# KiCad board panel9.kicad_pcb (continued)
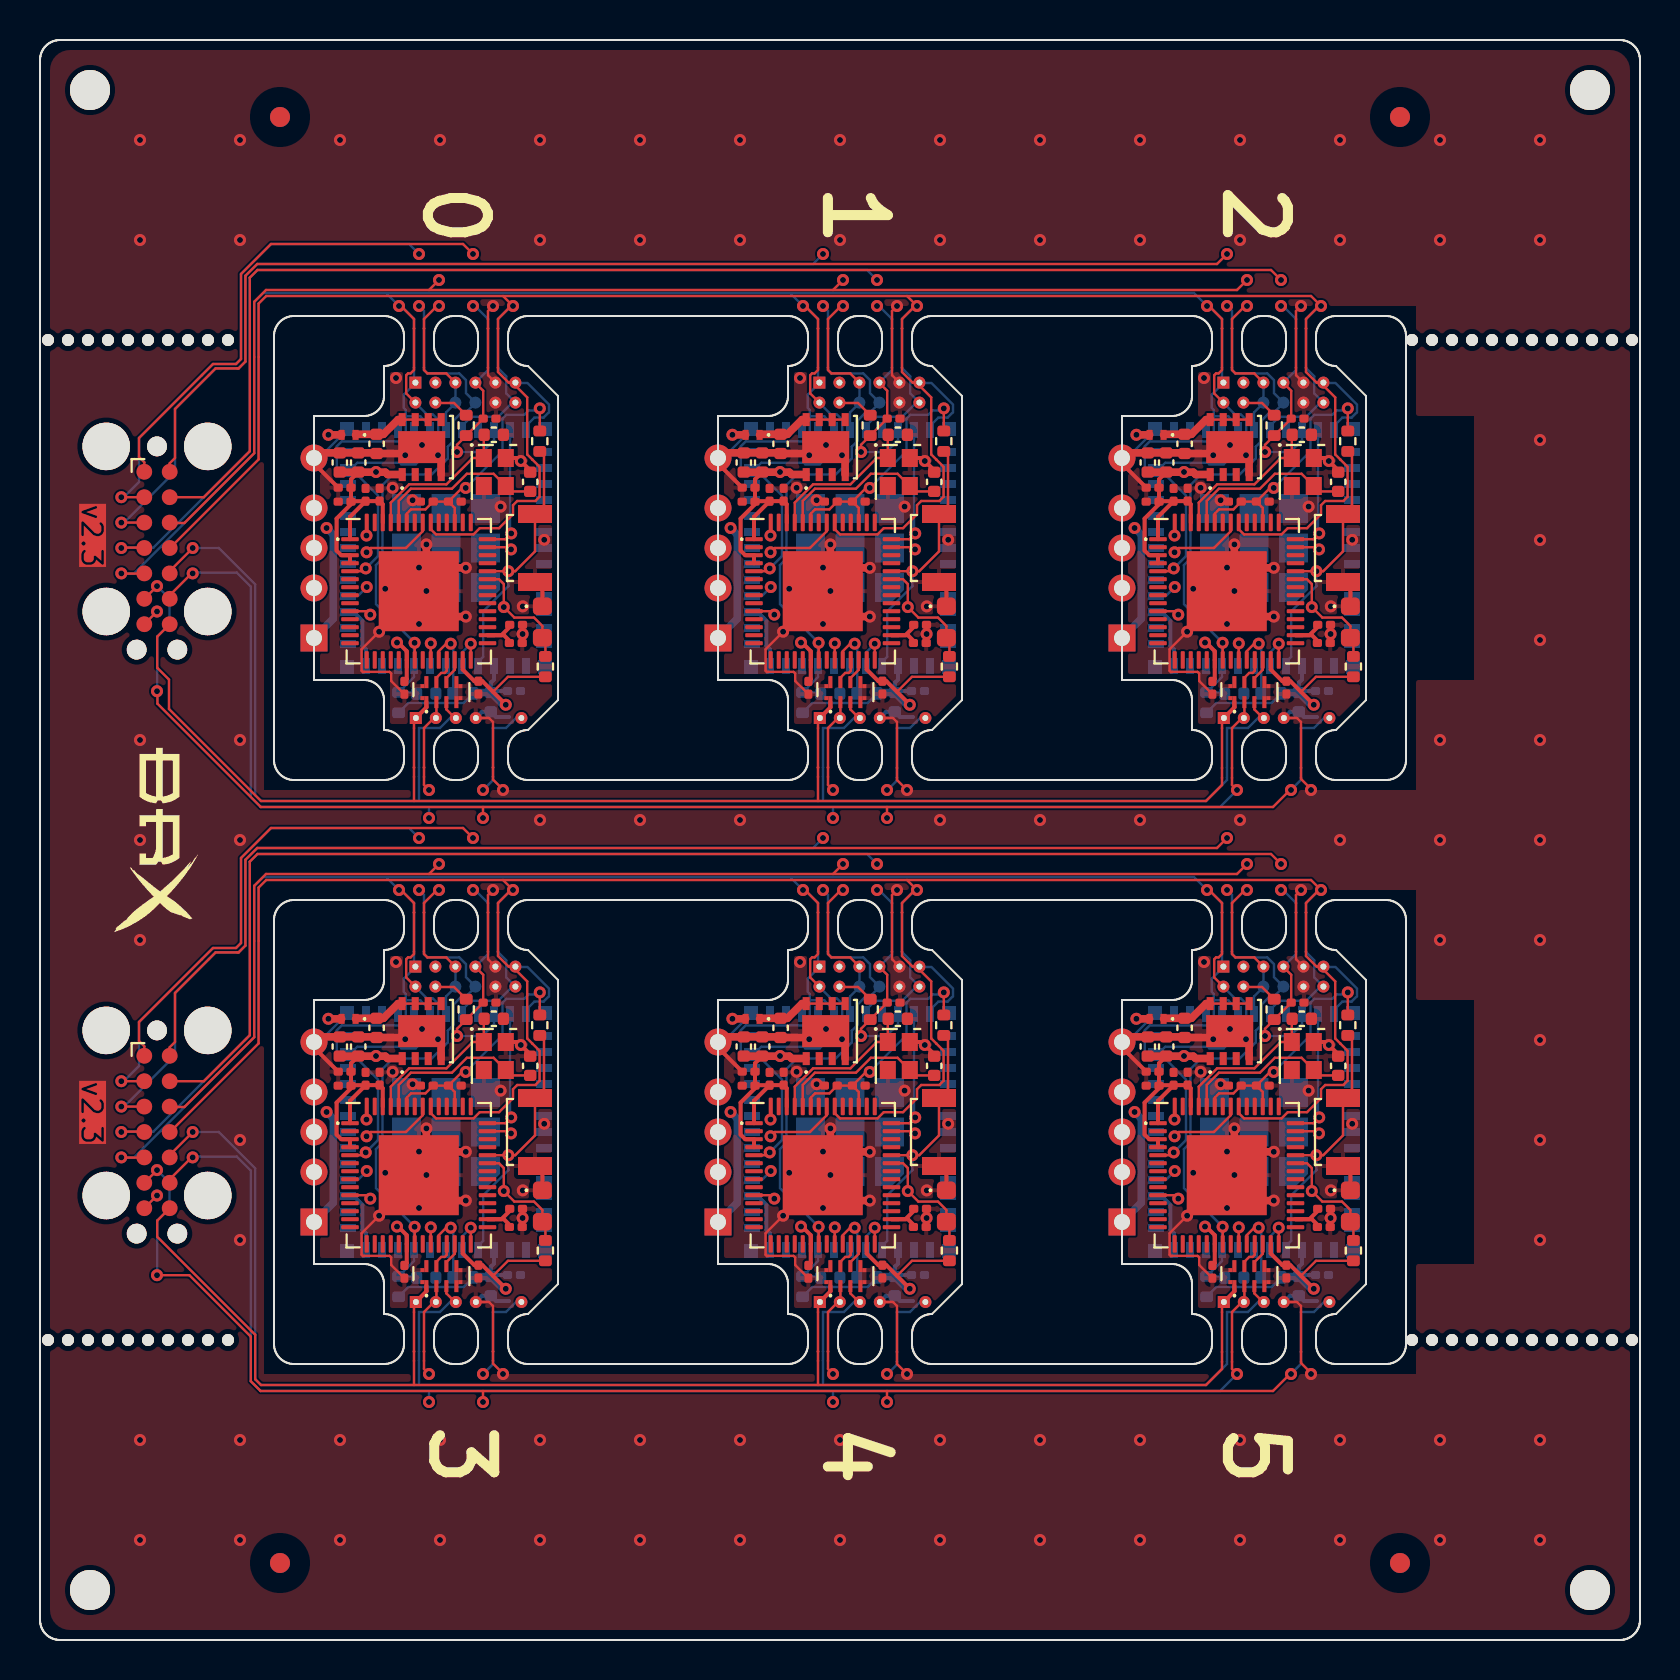
[diagram p0: board, top side]
## Nets (continued)
Board_3-unconnected-(U3-MTMS/GPIO14/ADC2_CH6-Pad18): U3#5.18
Board_3-unconnected-(U3-NC-Pad25): U3#5.25
Board_3-unconnected-(U3-NC-Pad32): U3#5.32
Board_3-unconnected-(U3-SD_DATA_0/GPIO7-Pad27): U3#5.27
Board_3-unconnected-(U3-SD_DATA_1/GPIO8-Pad28): U3#5.28
Board_3-unconnected-(U3-SENSOR_CAPN/GPIO38/ADC1_CH2-Pad6): U3#5.6
Board_3-unconnected-(U3-VDET_1/GPIO34/ADC1_CH6-Pad9): U3#5.9
Board_3-unconnected-(U3-VDET_2/GPIO35/ADC1_CH7-Pad10): U3#5.10
Board_3-VBUS: C16#3.1 D1#4.1 U1#2.5 U1#2.6 U1#2.7 U1#2.8
Board_4-+3V3: C1#2.1 C2#6.1 C3#6.1 C4#5.1 C6#2.1 C7#5.1 C8.1 C9#6.1 C12#5.1 C13#5.1 C14#3.1 C17#2.1 J2#3.3 J2#3.4 R1.2 R4#2.2 R6.2 R10#3.2 R11#3.2 U1#3.1 U2#3.1 U2#3.3 U2#3.4 U2#3.20 U2#3.27 U2#3.45 U2#3.51 U2#3.54 U3#3.3
Board_4-/BTN: J4#3.1 NT12#6.1 R1.1 SW1#3.1 U2#3.38 U3#3.4
Board_4-/D+_TP: J1#3.3 J3#3.3 NT11#4.1 U4#5.3
Board_4-/D-_TP: J1#3.2 J3#3.2 NT10#2.1 U4#5.2
Board_4-/HCI_CTS: U2#3.28 U3#3.5
Board_4-/HCI_RXD: U2#3.23 U3#3.7
Board_4-/HCI_TXD: U2#3.42 U3#3.34
Board_4-/LED: D6#6.2 R11#3.1 U2#3.37 U3#3.15
Board_4-/PICO_EN: C5#2.1 J2#3.8 NT5#2.1 R6.1 U2#3.21 U3#3.8
Board_4-/PICO_IO0: J2#3.2 NT2.1 U2#3.10 U3#3.23
Board_4-/PICO_TXD: J2#3.12 NT7.1 U2#3.41 U3#3.31
Board_4-/RXD: J2#3.5 J2#3.6 NT3.1 U2#3.49 U3#3.30
Board_4-/S2_EN: C15#2.1 J2#3.7 NT4#3.1 R4#2.1 U2#3.56 U3#3.33
Board_4-/S2_IO0: J2#3.1 NT1#4.1 U2#3.5 U3#3.29
Board_4-/S2_TXD: J2#3.11 NT6.1 U2#3.48 U3#3.35
Board_4-/USB_D+: U2#3.26 U4#5.6
Board_4-/USB_D-: U2#3.25 U4#5.7
Board_4-GND: C1#2.2 C2#6.2 C3#6.2 C4#5.2 C5#2.2 C6#2.2 C7#5.2 C8.2 C9#6.2 C10#3.2 C11.2 C12#5.2 C13#5.2 C14#3.2 C15#2.2 C16#2.2 C17#2.2 C18#2.2 C19.2 D6#6.1 J1#3.5 J2#3.9 J2#3.10 J3#3.4 NT8#6.1 NT13#3.1 SW1#3.2 U1#3.4 U1#3.9 U2#3.57 U3#3.1 U3#3.2 U3#3.11 U3#3.14 U3#3.36 U3#3.37 U3#3.38 U3#3.39 U3#3.40 U3#3.41 U3#3.42 U3#3.43 U3#3.44 U3#3.45 U3#3.46 U3#3.47 U3#3.48 U3#3.49 U3#3.50 U3#3.51 U3#3.52 U3#3.53 U4#5.4 U4#5.5 U4#5.8 Y1.2 Y1.4
Board_4-Net-(U2-GPIO18/ADC2_CH7/DAC_2): R10#3.1 U2#3.24
Board_4-Net-(U2-VDD_SPI): C10#3.1 C11.1 U2#3.30
Board_4-Net-(U2-XTAL_N): C18#2.1 U2#3.52 Y1.3
Board_4-Net-(U2-XTAL_P): C19.1 U2#3.53 Y1.1
Board_4-unconnected-(J1-Pin_4-Pad4): J1#3.4
Board_4-unconnected-(NT1-Pad2): NT1#4.2
Board_4-unconnected-(NT2-Pad2): NT2.2
Board_4-unconnected-(NT3-Pad2): NT3.2
Board_4-unconnected-(NT4-Pad2): NT4#3.2
Board_4-unconnected-(NT5-Pad2): NT5#2.2
Board_4-unconnected-(NT6-Pad2): NT6.2
Board_4-unconnected-(NT7-Pad2): NT7.2
Board_4-unconnected-(NT8-Pad2): NT8#6.2
Board_4-unconnected-(NT9-Pad2): NT9#5.2
Board_4-unconnected-(NT10-Pad2): NT10#2.2
Board_4-unconnected-(NT11-Pad2): NT11#4.2
Board_4-unconnected-(NT12-Pad2): NT12#6.2
Board_4-unconnected-(NT13-Pad2): NT13#3.2
Board_4-unconnected-(U1-NC-Pad2): U1#3.2
Board_4-unconnected-(U1-NC-Pad3): U1#3.3
Board_4-unconnected-(U2-GPIO1/ADC1_CH0-Pad6): U2#3.6
Board_4-unconnected-(U2-GPIO2/ADC1_CH1-Pad7): U2#3.7
Board_4-unconnected-(U2-GPIO3/ADC1_CH2-Pad8): U2#3.8
Board_4-unconnected-(U2-GPIO4/ADC1_CH3-Pad9): U2#3.9
Board_4-unconnected-(U2-GPIO6/ADC1_CH5-Pad11): U2#3.11
Board_4-unconnected-(U2-GPIO7/ADC1_CH6-Pad12): U2#3.12
Board_4-unconnected-(U2-GPIO8/ADC1_CH7-Pad13): U2#3.13
Board_4-unconnected-(U2-GPIO9/ADC1_CH8-Pad14): U2#3.14
Board_4-unconnected-(U2-GPIO10/ADC1_CH9-Pad15): U2#3.15
Board_4-unconnected-(U2-GPIO11/ADC2_CH0-Pad16): U2#3.16
Board_4-unconnected-(U2-GPIO12/ADC2_CH1-Pad17): U2#3.17
Board_4-unconnected-(U2-GPIO13/ADC2_CH2-Pad18): U2#3.18
Board_4-unconnected-(U2-GPIO14/ADC2_CH3-Pad19): U2#3.19
Board_4-unconnected-(U2-GPIO16/ADC2_CH5/XTAL_32K_N-Pad22): U2#3.22
Board_4-unconnected-(U2-GPIO35-Pad39): U2#3.39
Board_4-unconnected-(U2-GPIO36-Pad40): U2#3.40
Board_4-unconnected-(U2-GPIO45-Pad50): U2#3.50
Board_4-unconnected-(U2-GPIO46-Pad55): U2#3.55
Board_4-unconnected-(U2-LNA_IN/RF-Pad2): U2#3.2
Board_4-unconnected-(U2-MTCK/JTAG/GPIO39-Pad43): U2#3.43
Board_4-unconnected-(U2-MTDI/JTAG/GPIO41-Pad46): U2#3.46
Board_4-unconnected-(U2-MTDO/JTAG/GPIO40-Pad44): U2#3.44
Board_4-unconnected-(U2-MTMS/JTAG/GPIO42-Pad47): U2#3.47
Board_4-unconnected-(U2-SPI_CS1/GPIO26-Pad29): U2#3.29
Board_4-unconnected-(U2-SPICLK/GPIO30-Pad34): U2#3.34
Board_4-unconnected-(U2-SPICS0/GPIO29-Pad33): U2#3.33
Board_4-unconnected-(U2-SPID/GPIO32-Pad36): U2#3.36
Board_4-unconnected-(U2-SPIHD/GPIO27-Pad31): U2#3.31
Board_4-unconnected-(U2-SPIQ/GPIO31-Pad35): U2#3.35
Board_4-unconnected-(U2-SPIWP/GPIO28-Pad32): U2#3.32
Board_4-unconnected-(U3-32K_XN/GPIO33/ADC1_CH5-Pad13): U3#3.13
Board_4-unconnected-(U3-32K_XP/GPIO32/ADC1_CH4-Pad12): U3#3.12
Board_4-unconnected-(U3-GPIO2/ADC2_CH2-Pad22): U3#3.22
Board_4-unconnected-(U3-GPIO4/ADC2_CH0-Pad24): U3#3.24
Board_4-unconnected-(U3-GPIO20-Pad26): U3#3.26
Board_4-unconnected-(U3-GPIO26/ADC2_CH9/DAC_2-Pad16): U3#3.16
Board_4-unconnected-(U3-GPIO27/ADC2_CH7-Pad17): U3#3.17
Board_4-unconnected-(U3-MTCK/GPIO13/ADC2_CH4-Pad20): U3#3.20
Board_4-unconnected-(U3-MTDI/GPIO12/ADC2_CH5-Pad19): U3#3.19
Board_4-unconnected-(U3-MTDO/GPIO15/ADC2_CH3-Pad21): U3#3.21
Board_4-unconnected-(U3-MTMS/GPIO14/ADC2_CH6-Pad18): U3#3.18
Board_4-unconnected-(U3-NC-Pad25): U3#3.25
Board_4-unconnected-(U3-NC-Pad32): U3#3.32
Board_4-unconnected-(U3-SD_DATA_0/GPIO7-Pad27): U3#3.27
Board_4-unconnected-(U3-SD_DATA_1/GPIO8-Pad28): U3#3.28
Board_4-unconnected-(U3-SENSOR_CAPN/GPIO38/ADC1_CH2-Pad6): U3#3.6
Board_4-unconnected-(U3-VDET_1/GPIO34/ADC1_CH6-Pad9): U3#3.9
Board_4-unconnected-(U3-VDET_2/GPIO35/ADC1_CH7-Pad10): U3#3.10
Board_4-VBUS: C16#2.1 D1#3.1 U1#3.5 U1#3.6 U1#3.7 U1#3.8
Board_5-+3V3: C1#6.1 C2.1 C3#4.1 C4#6.1 C6.1 C7.1 C8#2.1 C9#2.1 C12#3.1 C13#3.1 C14#4.1 C17.1 J2#6.3 J2#6.4 R1#4.2 R4#3.2 R6#6.2 R10#5.2 R11.2 U1#6.1 U2#6.1 U2#6.3 U2#6.4 U2#6.20 U2#6.27 U2#6.45 U2#6.51 U2#6.54 U3#4.3
Board_5-/BTN: J4#5.1 NT12#4.1 R1#4.1 SW1#2.1 U2#6.38 U3#4.4
Board_5-/D+_TP: J1#2.3 J3#4.3 NT11#5.1 U4#6.3
Board_5-/D-_TP: J1#2.2 J3#4.2 NT10#3.1 U4#6.2
Board_5-/HCI_CTS: U2#6.28 U3#4.5
Board_5-/HCI_RXD: U2#6.23 U3#4.7
Board_5-/HCI_TXD: U2#6.42 U3#4.34
Board_5-/LED: D6#5.2 R11.1 U2#6.37 U3#4.15
Board_5-/PICO_EN: C5#3.1 J2#6.8 NT5#6.1 R6#6.1 U2#6.21 U3#4.8
Board_5-/PICO_IO0: J2#6.2 NT2#5.1 U2#6.10 U3#4.23
Board_5-/PICO_TXD: J2#6.12 NT7#4.1 U2#6.41 U3#4.31
Board_5-/RXD: J2#6.5 J2#6.6 NT3#4.1 U2#6.49 U3#4.30
Board_5-/S2_EN: C15#5.1 J2#6.7 NT4#2.1 R4#3.1 U2#6.56 U3#4.33
Board_5-/S2_IO0: J2#6.1 NT1#6.1 U2#6.5 U3#4.29
Board_5-/S2_TXD: J2#6.11 NT6#4.1 U2#6.48 U3#4.35
Board_5-/USB_D+: U2#6.26 U4#6.6
Board_5-/USB_D-: U2#6.25 U4#6.7
Board_5-GND: C1#6.2 C2.2 C3#4.2 C4#6.2 C5#3.2 C6.2 C7.2 C8#2.2 C9#2.2 C10.2 C11#5.2 C12#3.2 C13#3.2 C14#4.2 C15#5.2 C16#5.2 C17.2 C18#3.2 C19#6.2 D6#5.1 J1#2.5 J2#6.9 J2#6.10 J3#4.4 NT8#2.1 NT13.1 SW1#2.2 U1#6.4 U1#6.9 U2#6.57 U3#4.1 U3#4.2 U3#4.11 U3#4.14 U3#4.36 U3#4.37 U3#4.38 U3#4.39 U3#4.40 U3#4.41 U3#4.42 U3#4.43 U3#4.44 U3#4.45 U3#4.46 U3#4.47 U3#4.48 U3#4.49 U3#4.50 U3#4.51 U3#4.52 U3#4.53 U4#6.4 U4#6.5 U4#6.8 Y1#6.2 Y1#6.4
Board_5-Net-(U2-GPIO18/ADC2_CH7/DAC_2): R10#5.1 U2#6.24
Board_5-Net-(U2-VDD_SPI): C10.1 C11#5.1 U2#6.30
Board_5-Net-(U2-XTAL_N): C18#3.1 U2#6.52 Y1#6.3
Board_5-Net-(U2-XTAL_P): C19#6.1 U2#6.53 Y1#6.1
Board_5-unconnected-(J1-Pin_4-Pad4): J1#2.4
Board_5-unconnected-(NT1-Pad2): NT1#6.2
Board_5-unconnected-(NT2-Pad2): NT2#5.2
Board_5-unconnected-(NT3-Pad2): NT3#4.2
Board_5-unconnected-(NT4-Pad2): NT4#2.2
Board_5-unconnected-(NT5-Pad2): NT5#6.2
Board_5-unconnected-(NT6-Pad2): NT6#4.2
Board_5-unconnected-(NT7-Pad2): NT7#4.2
Board_5-unconnected-(NT8-Pad2): NT8#2.2
Board_5-unconnected-(NT9-Pad2): NT9#3.2
Board_5-unconnected-(NT10-Pad2): NT10#3.2
Board_5-unconnected-(NT11-Pad2): NT11#5.2
Board_5-unconnected-(NT12-Pad2): NT12#4.2
Board_5-unconnected-(NT13-Pad2): NT13.2
Board_5-unconnected-(U1-NC-Pad2): U1#6.2
Board_5-unconnected-(U1-NC-Pad3): U1#6.3
Board_5-unconnected-(U2-GPIO1/ADC1_CH0-Pad6): U2#6.6
Board_5-unconnected-(U2-GPIO2/ADC1_CH1-Pad7): U2#6.7
Board_5-unconnected-(U2-GPIO3/ADC1_CH2-Pad8): U2#6.8
Board_5-unconnected-(U2-GPIO4/ADC1_CH3-Pad9): U2#6.9
Board_5-unconnected-(U2-GPIO6/ADC1_CH5-Pad11): U2#6.11
Board_5-unconnected-(U2-GPIO7/ADC1_CH6-Pad12): U2#6.12
Board_5-unconnected-(U2-GPIO8/ADC1_CH7-Pad13): U2#6.13
Board_5-unconnected-(U2-GPIO9/ADC1_CH8-Pad14): U2#6.14
Board_5-unconnected-(U2-GPIO10/ADC1_CH9-Pad15): U2#6.15
Board_5-unconnected-(U2-GPIO11/ADC2_CH0-Pad16): U2#6.16
Board_5-unconnected-(U2-GPIO12/ADC2_CH1-Pad17): U2#6.17
Board_5-unconnected-(U2-GPIO13/ADC2_CH2-Pad18): U2#6.18
Board_5-unconnected-(U2-GPIO14/ADC2_CH3-Pad19): U2#6.19
Board_5-unconnected-(U2-GPIO16/ADC2_CH5/XTAL_32K_N-Pad22): U2#6.22
Board_5-unconnected-(U2-GPIO35-Pad39): U2#6.39
Board_5-unconnected-(U2-GPIO36-Pad40): U2#6.40
Board_5-unconnected-(U2-GPIO45-Pad50): U2#6.50
Board_5-unconnected-(U2-GPIO46-Pad55): U2#6.55
Board_5-unconnected-(U2-LNA_IN/RF-Pad2): U2#6.2
Board_5-unconnected-(U2-MTCK/JTAG/GPIO39-Pad43): U2#6.43
Board_5-unconnected-(U2-MTDI/JTAG/GPIO41-Pad46): U2#6.46
Board_5-unconnected-(U2-MTDO/JTAG/GPIO40-Pad44): U2#6.44
Board_5-unconnected-(U2-MTMS/JTAG/GPIO42-Pad47): U2#6.47
Board_5-unconnected-(U2-SPI_CS1/GPIO26-Pad29): U2#6.29
Board_5-unconnected-(U2-SPICLK/GPIO30-Pad34): U2#6.34
Board_5-unconnected-(U2-SPICS0/GPIO29-Pad33): U2#6.33
Board_5-unconnected-(U2-SPID/GPIO32-Pad36): U2#6.36
Board_5-unconnected-(U2-SPIHD/GPIO27-Pad31): U2#6.31
Board_5-unconnected-(U2-SPIQ/GPIO31-Pad35): U2#6.35
Board_5-unconnected-(U2-SPIWP/GPIO28-Pad32): U2#6.32
Board_5-unconnected-(U3-32K_XN/GPIO33/ADC1_CH5-Pad13): U3#4.13
Board_5-unconnected-(U3-32K_XP/GPIO32/ADC1_CH4-Pad12): U3#4.12
Board_5-unconnected-(U3-GPIO2/ADC2_CH2-Pad22): U3#4.22
Board_5-unconnected-(U3-GPIO4/ADC2_CH0-Pad24): U3#4.24
Board_5-unconnected-(U3-GPIO20-Pad26): U3#4.26
Board_5-unconnected-(U3-GPIO26/ADC2_CH9/DAC_2-Pad16): U3#4.16
Board_5-unconnected-(U3-GPIO27/ADC2_CH7-Pad17): U3#4.17
Board_5-unconnected-(U3-MTCK/GPIO13/ADC2_CH4-Pad20): U3#4.20
Board_5-unconnected-(U3-MTDI/GPIO12/ADC2_CH5-Pad19): U3#4.19
Board_5-unconnected-(U3-MTDO/GPIO15/ADC2_CH3-Pad21): U3#4.21
Board_5-unconnected-(U3-MTMS/GPIO14/ADC2_CH6-Pad18): U3#4.18
Board_5-unconnected-(U3-NC-Pad25): U3#4.25
Board_5-unconnected-(U3-NC-Pad32): U3#4.32
Board_5-unconnected-(U3-SD_DATA_0/GPIO7-Pad27): U3#4.27
Board_5-unconnected-(U3-SD_DATA_1/GPIO8-Pad28): U3#4.28
Board_5-unconnected-(U3-SENSOR_CAPN/GPIO38/ADC1_CH2-Pad6): U3#4.6
Board_5-unconnected-(U3-VDET_1/GPIO34/ADC1_CH6-Pad9): U3#4.9
Board_5-unconnected-(U3-VDET_2/GPIO35/ADC1_CH7-Pad10): U3#4.10
Board_5-VBUS: C16#5.1 D1.1 U1#6.5 U1#6.6 U1#6.7 U1#6.8
DUT0_EN0: REF**#17.1 REF**#62.2
DUT0_EN1: REF**#17.2 REF**#79.2
DUT1_EN0: REF**#17.4 REF**#47.2
DUT1_EN1: REF**#17.3 REF**#81.2
DUT2_EN0: REF**#17.13 REF**#63.2
DUT2_EN1: REF**#17.14
DUT3_EN0: REF**#23.13 REF**#72.2
DUT3_EN1: REF**#23.14 REF**#70.2
DUT4_EN0: REF**#23.4 REF**#51.2
DUT4_EN1: REF**#23.3 REF**#78.2
DUT5_EN0: REF**#23.1 REF**#59.2
DUT5_EN1: REF**#23.2 REF**#53.2
DUT_BOOT_B: REF**#18.2 REF**#23.5 REF**#26.2 REF**#34.2 REF**#60.2 REF**#71.2 REF**#74.2
DUT_BOOT_T: REF**#7.2 REF**#9.2 REF**#17.5 REF**#27.2 REF**#61.2 REF**#76.2 REF**#80.2
DUT_BTN_B: REF**#23.6 REF**#48.1 REF**#67.1 REF**#75.1
DUT_BTN_T: REF**#17.6
DUT_DN_B: REF**#2.1 REF**#23.9 REF**#24.1 REF**#40.1
DUT_DN_T: REF**.1 REF**#13.1 REF**#14.1 REF**#17.9
DUT_DP_B: REF**#23.10 REF**#57.1 REF**#58.1 REF**#77.1
DUT_DP_T: REF**#17.10 REF**#55.1 REF**#66.1 REF**#73.1
DUT_GND: REF**#10.2 REF**#11.1 REF**#16.1 REF**#17.7 REF**#19.1 REF**#23.7 REF**#30.2 REF**#31.1 REF**#32.2 REF**#35.1 REF**#37.2 REF**#41.2 REF**#42.2 REF**#44.1
DUT_RX_B: REF**#21.2 REF**#23.12 REF**#28.2 REF**#29.2
DUT_RX_T: REF**#17.12
DUT_TX_B: REF**#23.11 REF**#33.2 REF**#36.2 REF**#45.2 REF**#49.2 REF**#52.2 REF**#68.2
DUT_TX_T: REF**#3.2 REF**#17.11 REF**#22.2 REF**#43.2 REF**#54.2 REF**#56.2 REF**#65.2
DUT_VBUS_B: REF**#12.1 REF**#20.1 REF**#23.8 REF**#38.1
DUT_VBUS_T: REF**#4.1 REF**#17.8

Pads without a net: REF** 2; REF**#2 2; REF**#3 1; REF**#4 2; REF**#6 1 2; REF**#7 1; REF**#8 1 2; REF**#9 1; REF**#10 1; REF**#11 2; REF**#12 2; REF**#13 2; REF**#14 2; REF**#15 1 2; REF**#16 2; REF**#18 1; REF**#19 2; REF**#20 2; REF**#21 1; REF**#22 1; REF**#24 2; REF**#25 1 2; REF**#26 1; REF**#27 1; REF**#28 1; REF**#29 1; REF**#30 1; REF**#31 2; REF**#32 1; REF**#33 1; REF**#34 1; REF**#35 2; REF**#36 1; REF**#37 1; REF**#38 2; REF**#39 1 2; REF**#40 2; REF**#41 1; REF**#42 1; REF**#43 1; REF**#44 2; REF**#45 1; REF**#47 1; REF**#48 2; REF**#49 1; REF**#50 1 2; REF**#51 1; REF**#52 1; REF**#53 1; REF**#54 1; REF**#55 2; REF**#56 1; REF**#57 2; REF**#58 2; REF**#59 1; REF**#60 1; REF**#61 1; REF**#62 1; REF**#63 1; REF**#64 1 2; REF**#65 1; REF**#66 2; REF**#67 2; REF**#68 1; REF**#69 1 2; REF**#70 1; REF**#71 1; REF**#72 1; REF**#73 2; REF**#74 1; REF**#75 2; REF**#76 1; REF**#77 2; REF**#78 1; REF**#79 1; REF**#80 1; REF**#81 1; REF**#82 1 2

## Via types
v1: diameter 0.6, hole 0.3, Top to Bottom, 423 vias

## Routing (per net, layer and track width the routed paths; a pad name or vN(x,y) marks a point on that pad's centre or on a via; arc(x,y) is an arc through that point)
Board_0-/VBUS_TP: length 20.5
  Top w0.12: J3.1 18.7,46.01 NT9.1
  Top w0.2: J3.1 19.32,46.63 U4.1
  Top w0.38: v1(14.42,60.26) 14.42,60.26 D1#2.2
  In2.Cu w0.2: J1#4.1 15.84,50.1 18.79,47.15 J3.1
  In2.Cu w0.38: v1(14.33,55.6) 14.67,55.94 14.67,60.02 v1(14.42,60.26)
  Bottom w0.38: J1#4.1 14.67,51.06 14.67,55.27 v1(14.33,55.6)
Board_1-/VBUS_TP: length 20.5
  Top w0.12: J3#2.1 38.9,46.01 NT9#4.1
  Top w0.2: J3#2.1 39.52,46.63 U4#3.1
  Top w0.38: v1(34.62,60.26) 34.62,60.26 D1#6.2
  In2.Cu w0.2: J1#5.1 36.04,50.1 38.99,47.15 J3#2.1
  In2.Cu w0.38: v1(34.53,55.6) 34.87,55.94 34.87,60.02 v1(34.62,60.26)
  Bottom w0.38: J1#5.1 34.87,51.06 34.87,55.27 v1(34.53,55.6)
Board_2-/VBUS_TP: length 20.5
  Top w0.12: NT9#2.1 59.1,46.01 J3#6.1
  Top w0.2: U4#2.1 59.72,46.63 J3#6.1
  Top w0.38: D1#5.2 54.82,60.26 v1(54.82,60.26)
  In2.Cu w0.2: J1.1 56.24,50.1 59.19,47.15 J3#6.1
  In2.Cu w0.38: v1(54.82,60.26) 55.06,60.02 55.06,55.94 v1(54.73,55.6)
  Bottom w0.38: v1(54.73,55.6) 55.06,55.27 55.06,51.06 J1.1
Board_3-/VBUS_TP: length 20.5
  Top w0.12: J3#5.1 18.7,16.81 NT9#6.1
  Top w0.2: U4#4.1 19.32,17.43 J3#5.1
  Top w0.38: D1#4.2 14.42,31.06 v1(14.42,31.06)
  In2.Cu w0.2: J3#5.1 18.79,17.95 15.84,20.9 J1#6.1
  In2.Cu w0.38: v1(14.42,31.06) 14.67,30.81 14.67,26.73 v1(14.33,26.4)
  Bottom w0.38: J1#6.1 14.67,21.86 14.67,26.06 v1(14.33,26.4)
Board_4-/VBUS_TP: length 20.5
  Top w0.12: NT9#5.1 38.9,16.81 J3#3.1
  Top w0.2: J3#3.1 39.52,17.43 U4#5.1
  Top w0.38: v1(34.62,31.06) 34.62,31.06 D1#3.2
  In2.Cu w0.2: J3#3.1 38.99,17.95 36.04,20.9 J1#3.1
  In2.Cu w0.38: v1(34.53,26.4) 34.87,26.73 34.87,30.81 v1(34.62,31.06)
  Bottom w0.38: v1(34.53,26.4) 34.87,26.06 34.87,21.86 J1#3.1
Board_5-/VBUS_TP: length 20.5
  Top w0.12: J3#4.1 59.1,16.81 NT9#3.1
  Top w0.2: U4#6.1 59.72,17.43 J3#4.1
  Top w0.38: D1.2 54.82,31.06 v1(54.82,31.06)
  In2.Cu w0.2: J3#4.1 59.19,17.95 56.24,20.9 J1#2.1
  In2.Cu w0.38: v1(54.73,26.4) 55.06,26.73 55.06,30.81 v1(54.82,31.06)
  Bottom w0.38: J1#2.1 55.06,21.86 55.06,26.06 v1(54.73,26.4)
Board_0-+3V3: length 75.2
  Top w0.12: v1(21.29,57.6) 21.1,57.6 C12.1 ; C12.1 20.74,56.6 U2#2.45 ; C12.1 C9.1 19.27,56.53 18.55,56.53 18.34,56.31 U2#2.51 ; R11#4.2 23.4,48.16 22.65,47.41 ; R4#5.2 20.7,61.85 19.79,61.85 J2.4 ; R1#6.2 24.99,61.48
  Top w0.2: C2#2.1 15.58,56.94 C8#4.1 ; C2#2.1 C3.1 15.55,58.03 C17#6.1 ; C2#2.1 15.55,56.79 14.83,56.07 14.83,54.47 15.06,54.24 U2#2.3 U2#2.4 ; v1(23.29,46.76) 23.29,46.77 22.12,47.94 C6#3.1 21.72,47.94 21.14,48.52 U2#2.27 ; C8#4.1 16.28,56.95 C7#2.1 17.14,56.79 U2#2.54 ; C8#4.1 15.5,56.16 U2#2.1 ; C1.1 18.34,48.05 U2#2.20 18.34,49.44 17.92,49.86 17.86,49.86 v1(17.85,49.87)
  Top w0.38: 15.32,58.39 16.79,58.39 v1(16.8,58.4) 16.81,58.39 17.27,58.39 17.38,58.27 18.09,58.27
  In2.Cu w0.38: v1(17.85,49.87) 17.85,51.96 ; 17.85,51.96 18.89,51.96 20.27,50.58 21.65,50.58 23.29,48.94 v1(23.29,46.76) ; 17.85,51.96 16.03,51.96 15.49,52.5 15.49,57.09 v1(16.8,58.4) ; v1(16.8,58.4) 20.49,58.4 v1(21.29,57.6) ; v1(16.8,58.4) 16.8,59.09 18.42,60.71 19.24,60.71 19.77,61.24 J2.4 J2.3
  Bottom w0.12: 24.99,61.48 24.43,61.48 24.21,61.26 23.32,61.26 23.12,61.06 23.12,59.44 v1(21.29,57.6) ; R6#2.2 18.42,46.85 21.18,46.85 R10#6.2
  Bottom w0.2: 23.33,47.45 22.62,47.45 C14.1 22.54,47.86 22.7,48.02 U3.3
  Bottom w0.38: v1(23.29,46.76) 23.15,46.76 C14.1 21.65,47.37 21.61,47.33
  vias: v1(24.99,61.58)
Board_0-/BTN: length 24.2
  Top w0.12: U2#2.38 v1(23.42,53.44) 23.76,53.44 24.75,54.43 SW1#5.1 25.2,56.75 25.2,59.22 R1#6.1
  In2.Cu w0.12: v1(23.42,53.44) 23.89,53.44 25.54,51.79 25.54,47.57 J4.1
  Bottom w0.12: NT12.1 23.3,45.6 23.8,46.1 J4.1 ; v1(23.42,53.44) 23.42,52.69 22.16,51.43 22.16,49.16 21.9,48.9 U3.4
Board_0-/D+_TP: length 14.6
  Top w0.12: U4.3 20.32,46.53 20.75,46.1
  In2.Cu w0.12: J3.3 20.09,46.8 19.93,46.8 14.53,52.19 14.53,53.77 J1#4.3
  Bottom w0.12: J3.3 20.5,46.1 20,45.6 NT11#2.1
Board_0-/D-_TP: length 10.7
  Top w0.12: NT10#5.1 19.7,46.1 J3.2 19.82,46.13 U4.2
  In2.Cu w0.12: J3.2 19.79,46.62 13.81,52.6 J1#4.2
Board_0-/HCI_CTS: length 2.1
  Top w0.12: v1(21.54,49.81) U2#2.28
  Bottom w0.12: v1(21.54,49.81) 21.1,49.38 U3.5
Board_0-/HCI_RXD: length 2
  Top w0.12: U2#2.23 19.54,49.83 v1(19.54,49.83)
  Bottom w0.12: v1(19.54,49.83) 19.54,48.74 U3.7
Board_0-/HCI_TXD: length 6.5
  Top w0.12: v1(23.56,55.33) 23.27,55.04 U2#2.42
  Bottom w0.12: U3.34 23.5,55.39 v1(23.56,55.33)
Board_0-/LED: length 14.7
  Top w0.12: R11#4.1 25.27,49.96 D6#4.2 25.12,50.7 24.7,51.12 23.72,51.12 23.19,51.65 v1(23.19,51.65) 23.19,52.8 22.95,53.04 U2#2.37
  In2.Cu w0.12: v1(16.34,52.65) 16.71,53.02 21.82,53.02 v1(23.19,51.65)
  Bottom w0.12: v1(16.34,52.65) 15.89,52.2 U3.15
Board_0-/PICO_EN: length 24.5
  Top w0.12: v1(18.73,49.86) 18.73,49.64 18.74,49.63 U2#2.21
  Bottom w0.12: NT5.1 19.2,63.5 19.37,63.33 20.96,63.33 21.3,62.99 21.3,62.34 J2.8 21.77,61.85 21.2,61.28 20.99,61.28 20.69,60.98 20.69,59.97 20.39,59.67 20.39,59.08 19.59,58.28 17.65,58.28 17.12,57.75 17.12,54.07 16.8,53.74 16.8,51.79 v1(18.73,49.86) 18.7,49.83 U3.8 18.7,48.15 R6#2.1 18.77,47.38 C5#4.1
Board_0-/PICO_IO0: length 24.1
  Top w0.12: 18.84,61.83 18.82,61.85 18.79,61.85 J2.2 18.31,62.33 18.31,63.24 18.4,63.33 18.53,63.33 18.7,63.5 NT2#2.1 ; U2#2.10 16.34,51.44 v1(16.51,51.27)
  In2.Cu w0.12: v1(16.51,51.27) 15.92,51.27 15.07,52.12 15.07,58.15 18.77,61.85 J2.2
  Bottom w0.12: J2.2 18.77,61.85 19.34,61.28 19.64,61.28 19.91,61.01 19.91,59.91 18.78,58.78 18.07,58.78 17.99,58.86 15.86,58.86 15.6,58.6 U3.23
Board_0-/PICO_TXD: length 15.8
  Top w0.12: U2#2.41 23.44,54.64 v1(23.55,54.53) ; 23.8,61.93 23.77,61.9 J2.12
  In2.Cu w0.12: v1(23.55,54.53) 24.29,55.27 24.63,55.27 25.54,56.18 25.54,60.08 23.77,61.85 J2.12
  Bottom w0.12: NT7#2.1 23.31,63.19 23.31,62.33 J2.12 23.75,61.85 23.6,61.85 22.91,61.16 21.56,61.16 21.1,60.7 U3.31
Board_0-/RXD: length 21.6
  Top w0.12: U2#2.49 19.14,55.44 18.3,54.6 16.54,54.6 v1(16.33,54.39) ; NT3#2.1 19.2,63.5 19.37,63.33 20.31,63.33 J2.5
  In2.Cu w0.12: v1(16.33,54.39) 16.42,54.29 19.73,54.29 21.97,56.53 21.97,59.17 20.77,60.37 J2.5
  Bottom w0.12: U3.30 20.3,61.38 20.77,61.85 J2.6 J2.5
Board_0-/S2_EN: length 17.1
  Top w0.12: v1(16.32,55.22) 16.34,55.24 U2#2.56 ; v1(20.85,59.4) 20.85,59.76 R4#5.1 C15#6.1 22.16,62.46 21.77,62.85 J2.7
  In2.Cu w0.12: v1(20.85,59.4) 21.75,58.5 21.75,57.41 21.48,57.14 20.82,57.14 18.9,55.22 v1(16.32,55.22)
  Bottom w0.12: J2.7 22.4,63.5 NT4.1 ; U3.33 22.7,59.99 22.11,59.4 v1(20.85,59.4)
Board_0-/S2_IO0: length 17.8
  Top w0.12: J2.1 18.77,62.8 ; U2#2.5 16.15,53.44 v1(16.29,53.58)
  Bottom w0.12: U3.29 19.5,60.7 19.01,61.19 18.29,61.19 ; v1(16.29,53.58) 16.9,54.19 16.9,57.22 15.91,58.21 14.95,58.21 14.84,58.32 14.84,59.68 15.09,59.93 18.17,59.93 18.29,60.05 18.29,61.19 ; 18.29,61.19 18.29,61.5 18.19,61.61 18.19,62.27 18.77,62.85 J2.1 18.7,62.94 NT1#2.1
Board_0-/S2_TXD: length 18.6
  Top w0.12: NT6#2.1 22.9,63.4 23.43,62.87 J2.11 23.77,62.72 24.36,62.13 24.36,59.28 24.62,59.02 24.62,59.02 24.98,58.66 24.98,57.16 24.77,56.95 23.86,56.95 23.65,56.74 23.65,56.29 22.95,55.59 21.99,55.59 21.68,55.28 19.8,55.28 19.54,55.54 U2#2.48
  Bottom w0.12: U3.35 24.3,60.7 24.72,61.12 25.18,61.12 25.45,61.39 25.45,61.77 24.37,62.85 23.79,62.85 J2.11
Board_0-/USB_D+: length 1.3
  Top w0.12: U2#2.26 20.74,48.51 20.32,48.09 U4.6
Board_0-/USB_D-: length 1.4
  Top w0.12: U2#2.25 20.34,48.46 20.23,48.35 20.06,48.35 19.82,48.11 U4.7
Board_0-GND: length 42.2
  Top w0.12: C1.2 17.56,47.95 17.56,48.32 17.48,48.41 16.14,48.41 16.08,48.46 16.08,49.54 v1(16.96,50.42) ; J2.9 22.4,63.24 NT8.1 ; NT13#5.1 22.65,45.9 22.45,46.1 J3.4
  Top w0.2: C3.2 13.7,58.83 J1#4.5 ; Y1#5.4 23.89,59.1 v1(24.04,58.95) 24.51,58.48 C18.2 ; D6#4.1 25.12,52.53 SW1#5.2
  Top w0.38: 19.08,59.65 18.75,59.33 C16.2 16.8,59.35 C17#6.2 C4.2 13.95,59.35 J1#4.5 ; v1(21.29,51.17) 20.21,51.17 U2#2.57 ; U2#2.57 16.96,50.46 v1(16.96,50.42) ; U2#2.57 20.11,53.61 v1(21.29,53.61) ; U2#2.57 19.32,52.82 v1(19.32,54.78) ; U2#2.57 18.75,52.63 ; 20.06,58.28 20.06,59.09 v1(19.9,59.24)
  In1.Cu w0.45: v1(18.26,59.24) 18.12,59.1 13.7,59.1 J1#4.5
  Bottom w0.12: U3.51 15.35,60.5 13.95,59.1 J1#4.5
  Bottom w0.2: J3.4 22.1,46.41 22.49,46.41 ; 23.45,46.15 22.8,46.15 C14.2 ; U3.14 15.68,51.4 16.12,50.96 16.12,49.71 16.3,49.53 U3.11
  vias: v1(17.26,52.56) v1(17.63,57.61) v1(17.8,63.1) v1(18.63,56.99) v1(18.95,53.62) v1(18.95,50.8) v1(19.1,59.75) v1(19.32,52.45) v1(23.03,56.67) v1(24.14,51.68) v1(24.13,50.3) v1(25.21,55.01)
Board_0-Net-(U2-GPIO18/ADC2_CH7/DAC_2): length 3.8
  Top w0.12: U2#2.24 19.94,49.44 20.31,49.82 v1(20.54,49.82)
  Bottom w0.12: v1(20.54,49.82) 20.66,49.69 20.66,47.4 20.59,47.33
Board_0-Net-(U2-VDD_SPI): length 2.5
  Top w0.2: 23.49,50.65 23.07,50.24 U2#2.30 23.19,50.24 23.49,49.95
Board_0-Net-(U2-XTAL_N): length 8.6
  Top w0.12: U2#2.52 17.94,56.96 18.55,57.56 20.6,57.56 21.34,58.31 22.68,58.31 Y1#5.3 23.56,57.43 C18.1
Board_0-Net-(U2-XTAL_P): length 7.7
  Top w0.12: U2#2.53 17.54,56.87 18.45,57.78 20.32,57.78 21.64,59.1 Y1#5.1 22.19,60.24 C19#2.1
Board_0-VBUS: length 4.6
  Top w0.12: U1#5.8 U1#5.7 U1#5.6 U1#5.5
  Top w0.38: U1#5.8 17.91,61.02 17.17,60.28 C16.1 15.81,60.28 D1#2.1
Board_1-+3V3: length 75.2
  Top w0.12: J2#2.4 39.99,61.85 40.9,61.85 R4#6.2 ; C12#6.1 40.94,56.6 U2.45 ; C12#6.1 41.3,57.6 v1(41.49,57.6) ; C12#6.1 C9#4.1 39.47,56.53 38.75,56.53 38.54,56.31 U2.51 ; R1#5.2 45.19,61.48 ; R11#5.2 43.6,48.16 42.85,47.41
  Top w0.2: C8#6.1 36.49,56.95 C7#6.1 37.34,56.79 U2.54 ; C8#6.1 35.78,56.94 C2#3.1 ; C8#6.1 35.7,56.16 U2.1 ; v1(43.49,46.76) 43.49,46.77 42.32,47.94 C6#5.1 41.92,47.94 41.34,48.52 U2.27 ; U2.4 U2.3 35.26,54.24 35.03,54.47 35.03,56.07 35.75,56.79 C2#3.1 ; C2#3.1 C3#3.1 35.75,58.03 C17#5.1 ; C1#4.1 38.54,48.05 U2.20 38.54,49.44 38.12,49.86 38.06,49.86 v1(38.05,49.87)
  Top w0.38: 38.29,58.27 37.58,58.27 37.47,58.39 37.01,58.39 v1(37,58.4) 36.99,58.39 35.52,58.39
  In2.Cu w0.38: v1(38.05,49.87) 38.05,51.96 ; 38.05,51.96 36.23,51.96 35.69,52.5 35.69,57.09 v1(37,58.4) ; 38.05,51.96 39.09,51.96 40.47,50.58 41.85,50.58 43.49,48.94 v1(43.49,46.76) ; J2#2.3 J2#2.4 39.97,61.24 39.44,60.71 38.62,60.71 37,59.09 v1(37,58.4) ; v1(41.49,57.6) 40.69,58.4 v1(37,58.4)
  Bottom w0.12: 45.19,61.48 44.63,61.48 44.41,61.26 43.52,61.26 43.32,61.06 43.32,59.44 v1(41.49,57.6) ; R10#4.2 41.38,46.85 38.62,46.85 R6#4.2
  Bottom w0.2: 43.53,47.45 42.82,47.45 C14#5.1 42.74,47.86 42.9,48.02 U3#6.3
  Bottom w0.38: 41.81,47.33 41.85,47.37 C14#5.1 43.35,46.76 v1(43.49,46.76)
  vias: v1(45.19,61.58)
Board_1-/BTN: length 24.2
  Top w0.12: R1#5.1 45.4,59.22 45.4,56.75 SW1.1 44.95,54.43 43.96,53.44 v1(43.62,53.44) U2.38
  In2.Cu w0.12: J4#2.1 45.74,47.57 45.74,51.79 44.09,53.44 v1(43.62,53.44)
  Bottom w0.12: U3#6.4 42.1,48.9 42.36,49.16 42.36,51.43 43.62,52.69 v1(43.62,53.44) ; NT12#2.1 43.5,45.6 44,46.1 J4#2.1
Board_1-/D+_TP: length 14.6
  Top w0.12: 40.95,46.1 40.52,46.53 U4#3.3
  In2.Cu w0.12: J1#5.3 34.74,53.77 34.74,52.19 40.12,46.8 40.29,46.8 J3#2.3
  Bottom w0.12: NT11#3.1 40.2,45.6 40.7,46.1 J3#2.3
Board_1-/D-_TP: length 10.7
  Top w0.12: NT10#4.1 39.9,46.1 J3#2.2 40.02,46.13 U4#3.2
  In2.Cu w0.12: J1#5.2 34.01,52.6 39.99,46.62 J3#2.2
Board_1-/HCI_CTS: length 2.1
  Top w0.12: v1(41.74,49.81) U2.28
  Bottom w0.12: v1(41.74,49.81) 41.3,49.38 U3#6.5
Board_1-/HCI_RXD: length 2
  Top w0.12: v1(39.74,49.83) 39.74,49.83 U2.23
  Bottom w0.12: U3#6.7 39.74,48.74 v1(39.74,49.83)
Board_1-/HCI_TXD: length 6.5
  Top w0.12: U2.42 43.47,55.04 v1(43.76,55.33)
  Bottom w0.12: v1(43.76,55.33) 43.7,55.39 U3#6.34
Board_1-/LED: length 14.7
  Top w0.12: U2.37 43.15,53.04 43.39,52.8 v1(43.39,51.65) 43.39,51.65 43.92,51.12 44.9,51.12 45.32,50.7 D6#2.2 45.47,49.96 R11#5.1
  In2.Cu w0.12: v1(43.39,51.65) 42.02,53.02 36.91,53.02 v1(36.54,52.65)
  Bottom w0.12: v1(36.54,52.65) 36.09,52.2 U3#6.15
Board_1-/PICO_EN: length 24.5
  Top w0.12: U2.21 38.94,49.63 38.93,49.64 v1(38.93,49.86)
  Bottom w0.12: C5.1 38.97,47.38 R6#4.1 38.9,48.15 U3#6.8 38.9,49.83 v1(38.93,49.86) 37,51.79 37,53.74 37.32,54.07 37.32,57.75 37.85,58.28 39.79,58.28 40.59,59.08 40.59,59.67 40.89,59.97 40.89,60.98 41.19,61.28 41.4,61.28 41.97,61.85 J2#2.8 41.5,62.34 41.5,62.99 41.16,63.33 39.57,63.33 39.4,63.5 NT5#3.1